# Altium PCB xialeste.PcbDoc (part 1 of 10) (continued)
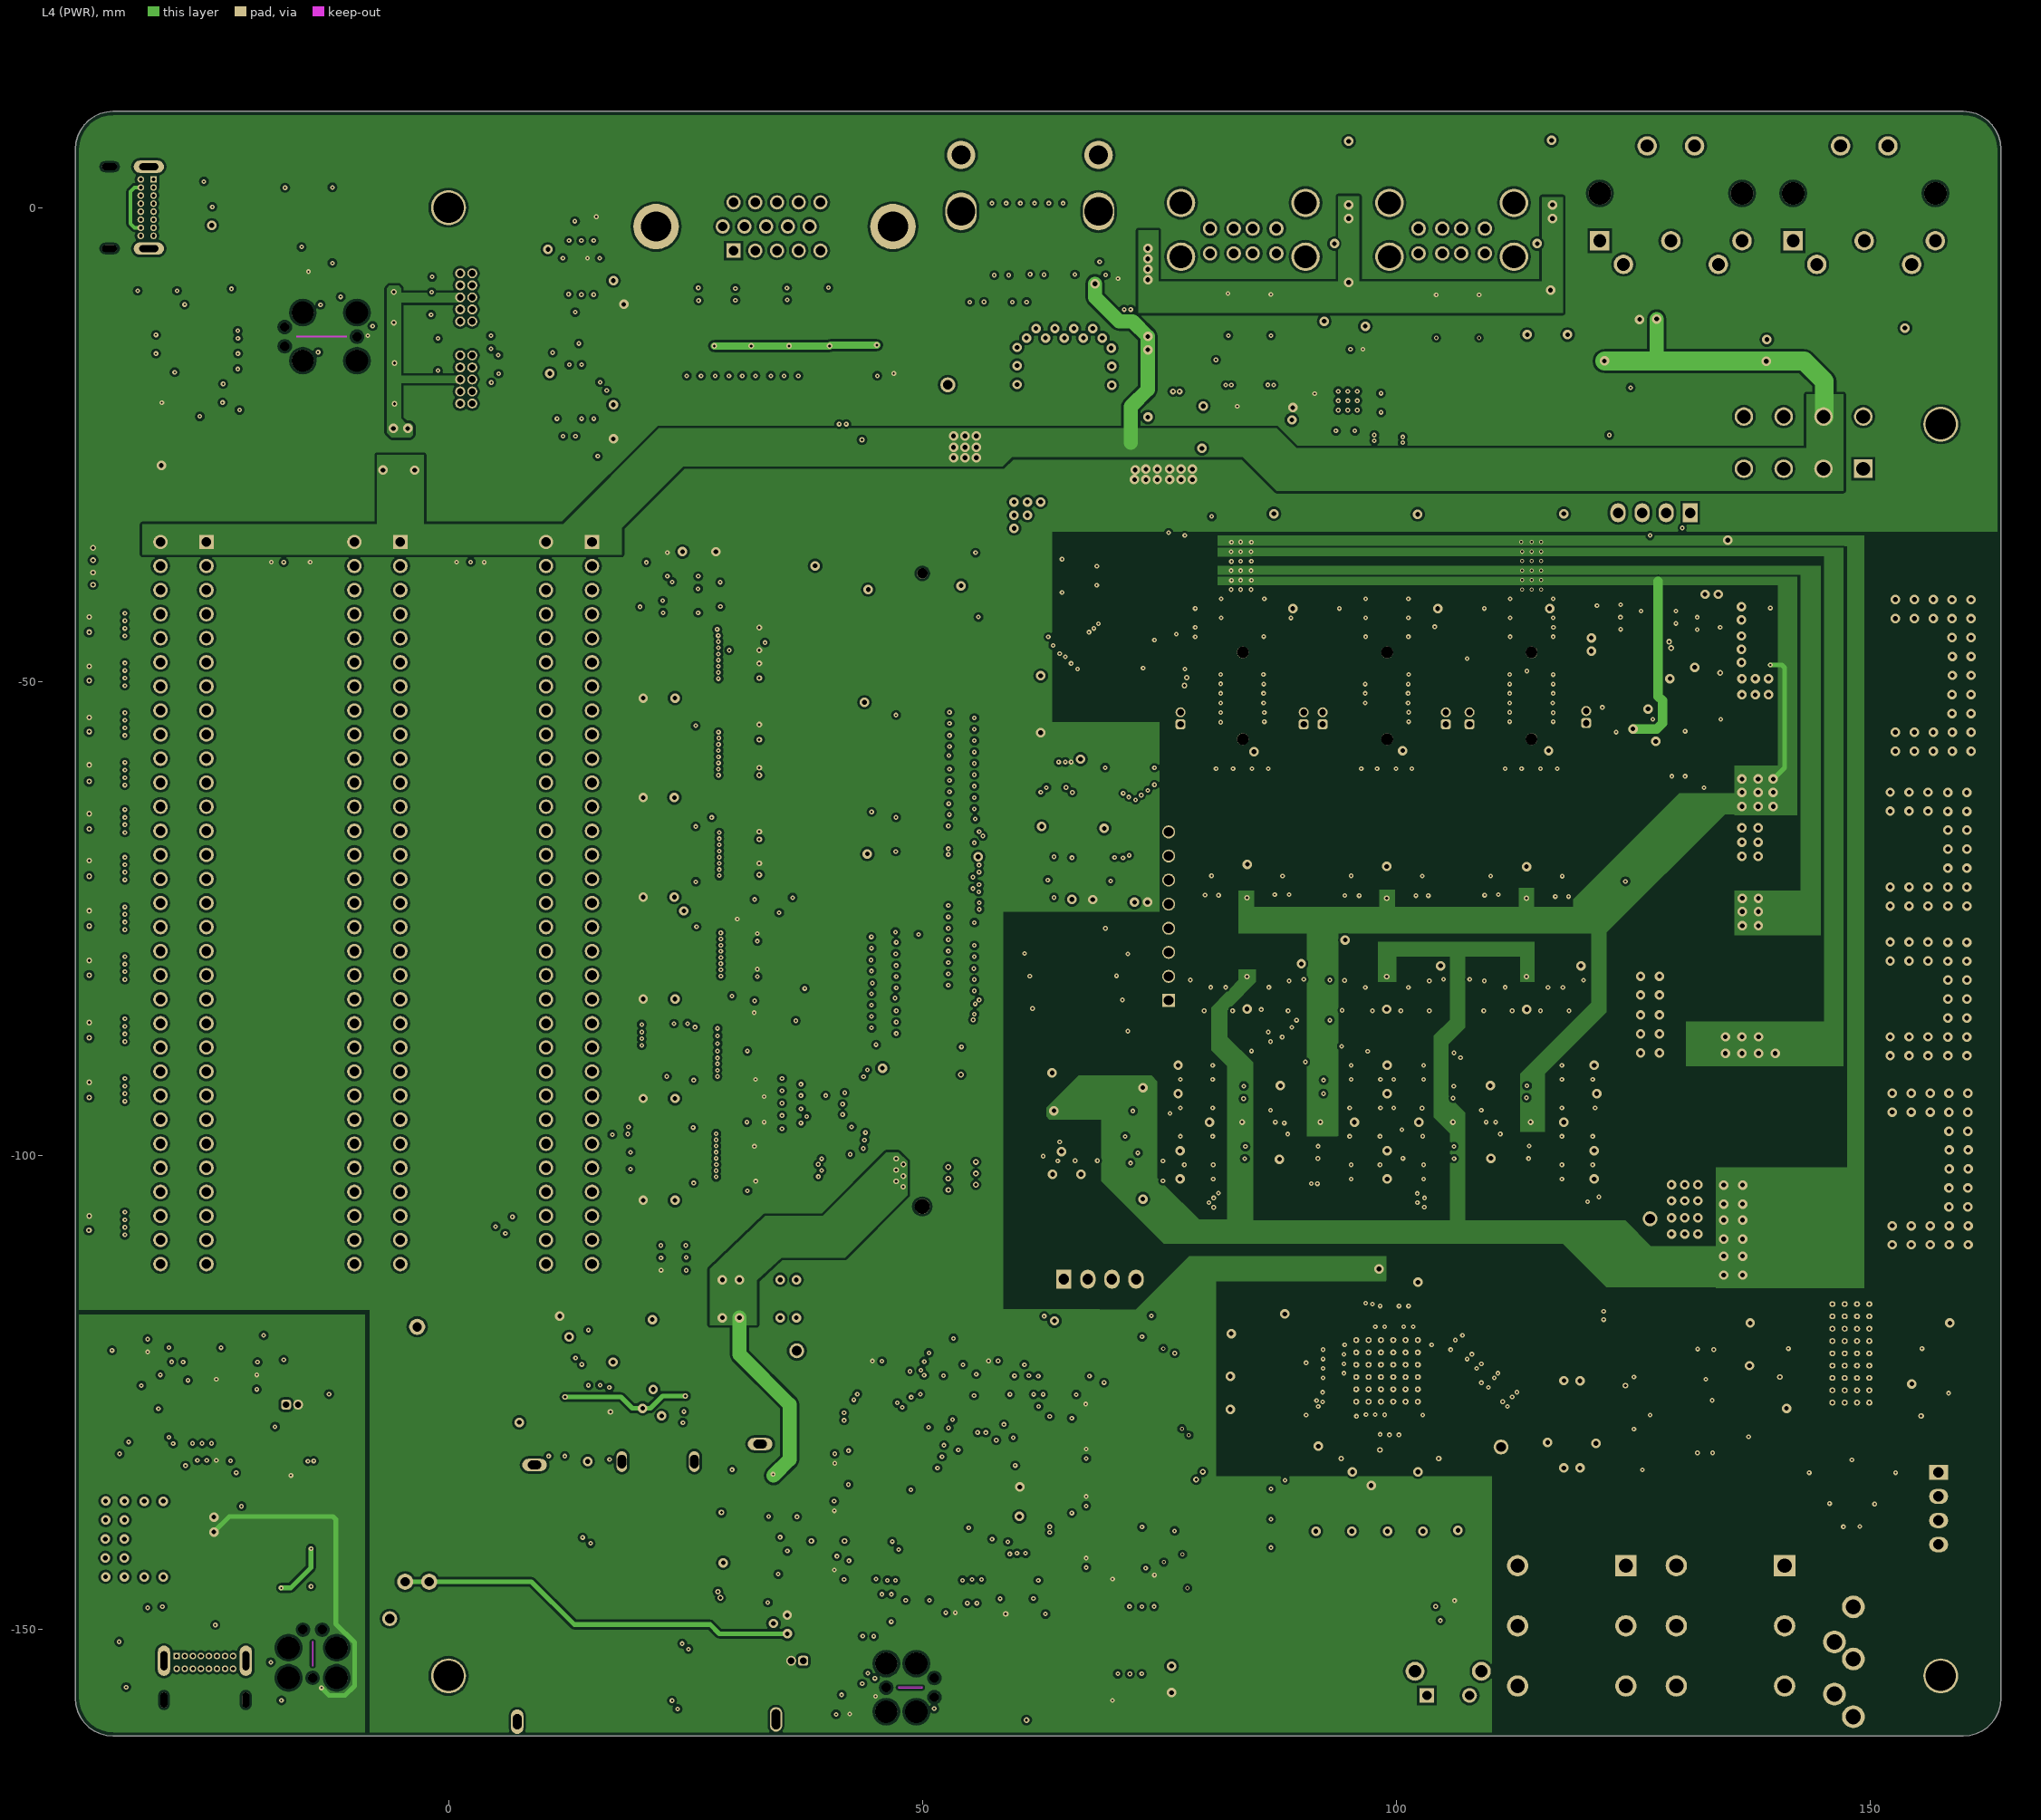
[diagram p4: L4 (PWR)]
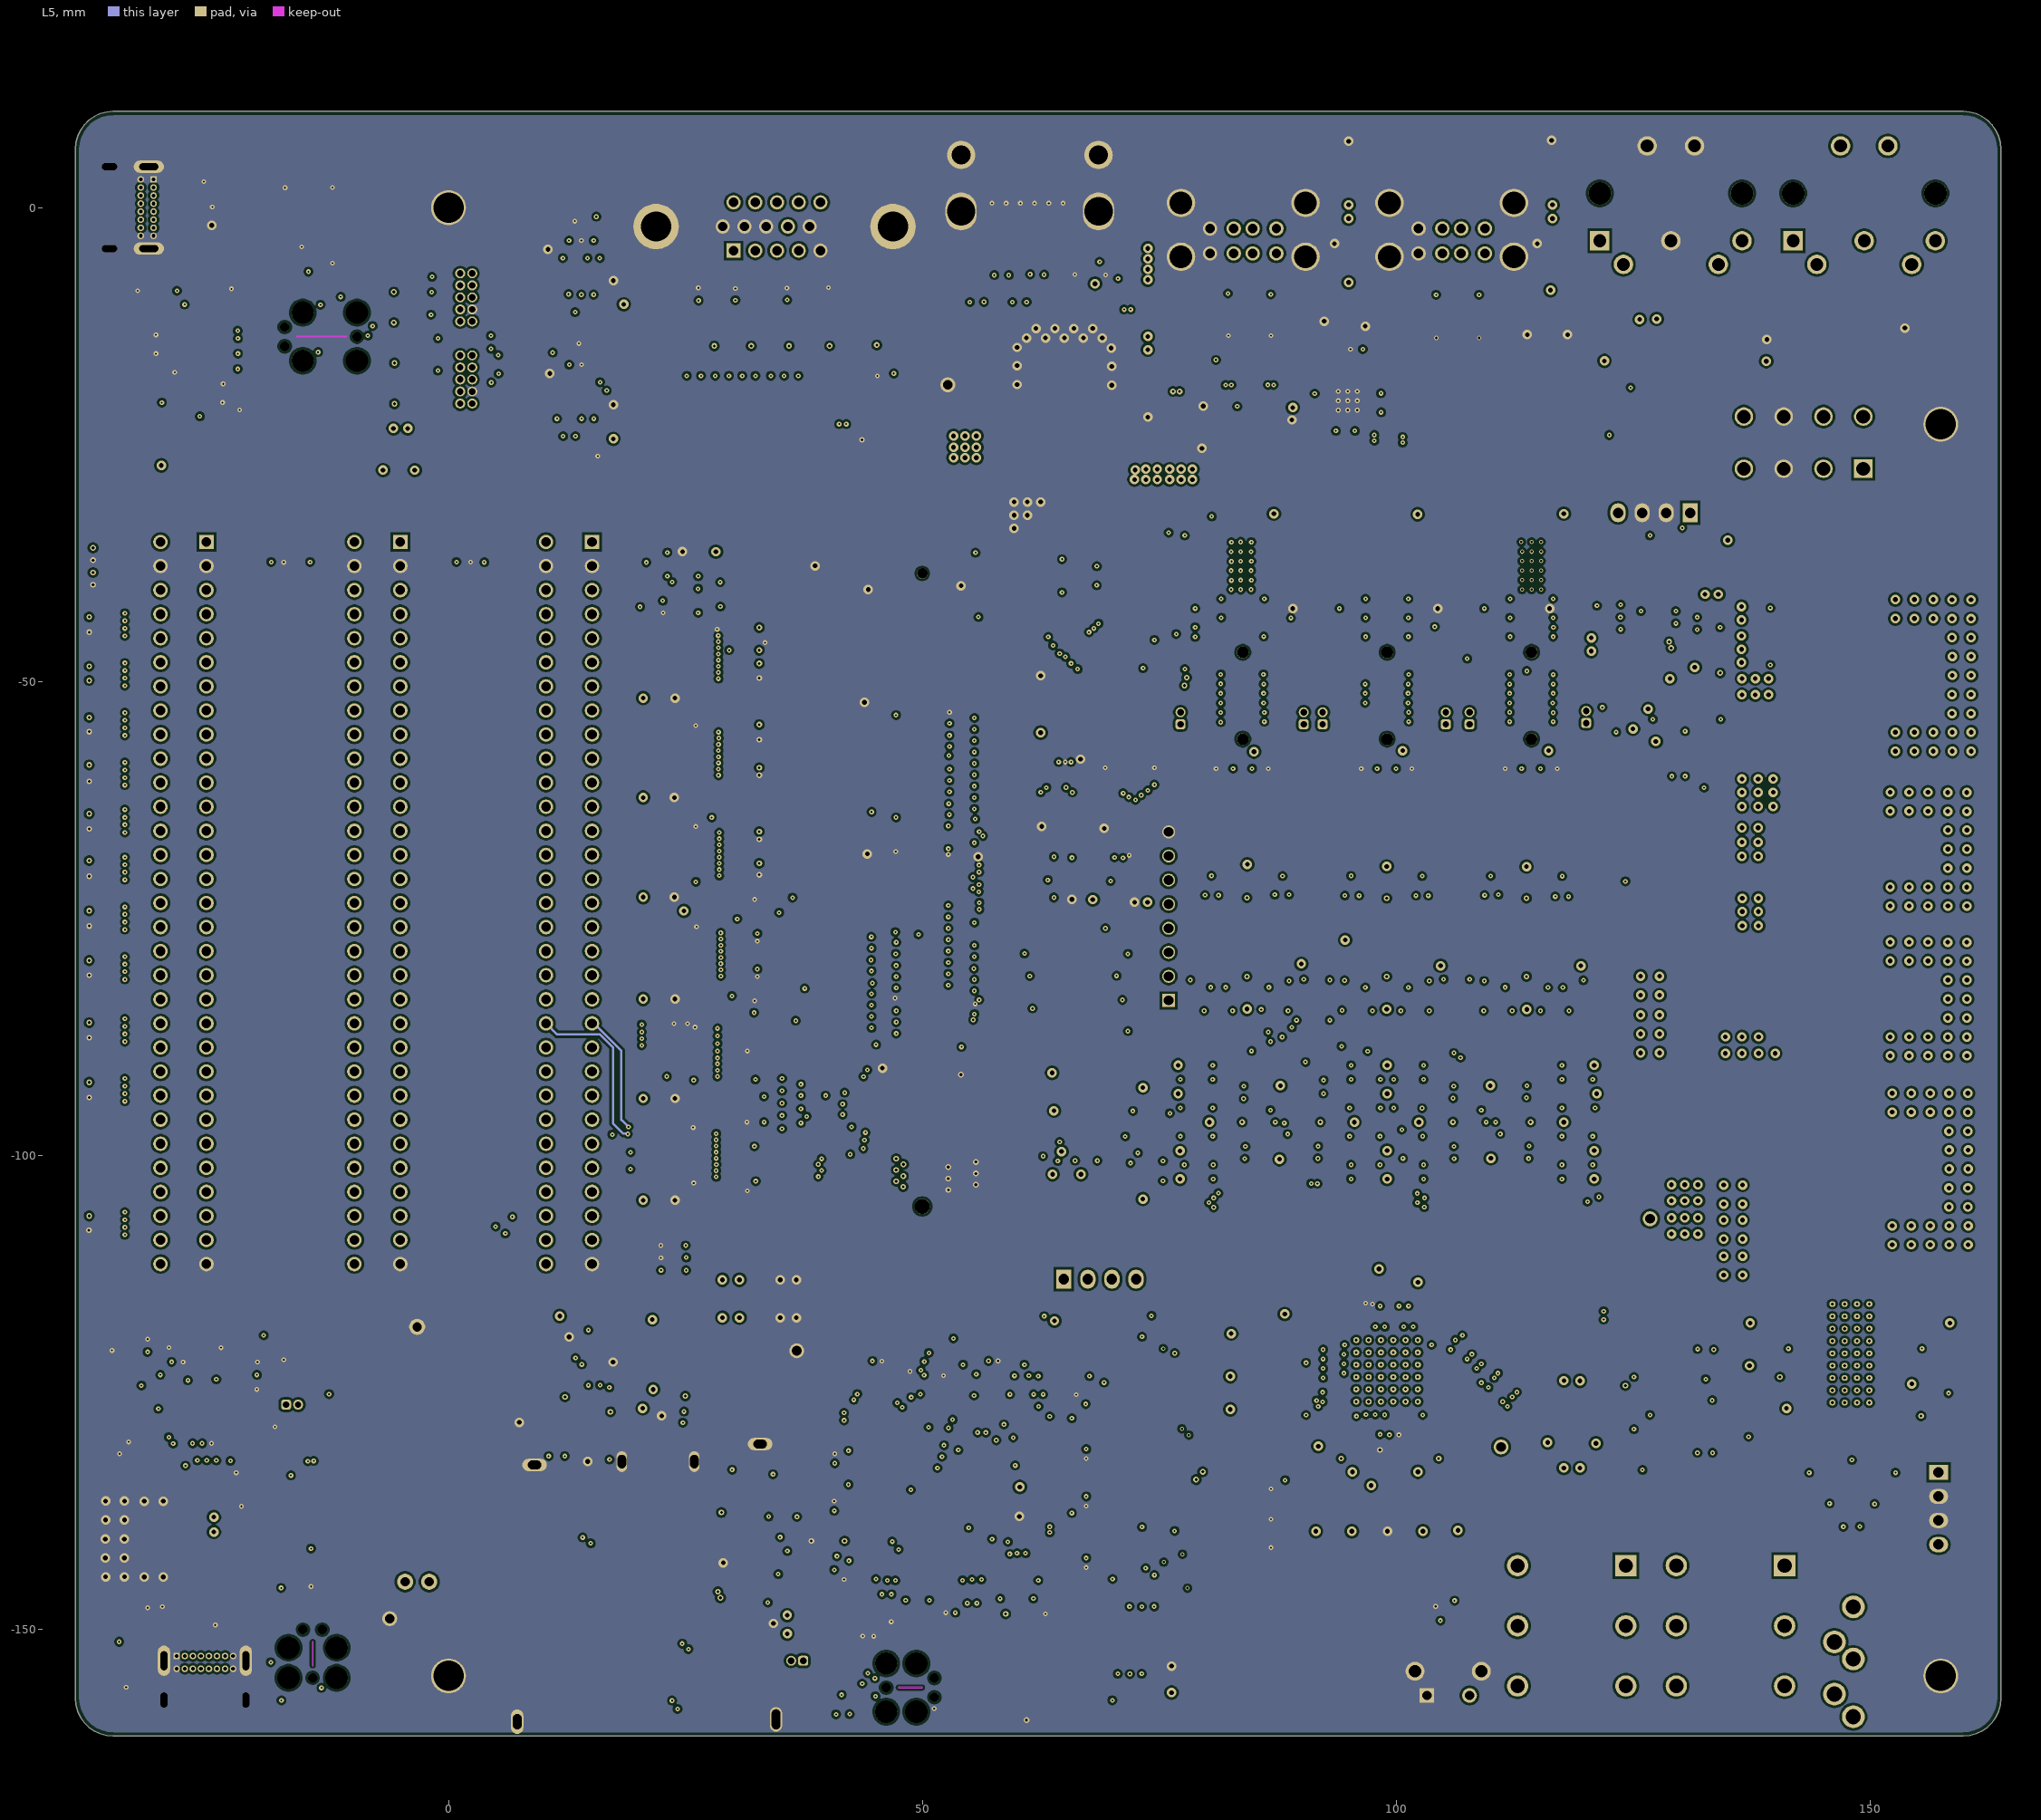
[diagram p5: L5]

## Layer stack, top to bottom
Top Solder: solder mask 0.0102, Solder Resist, Dk 3.5
L1: signal copper 0.018
Dielectric1: core 0.1725, DE 104 ML, Dk 4.4
L2: signal copper 0.018
Dielectric4: prepreg 0.196, DE 104 ML, Dk 4.4
L3: signal copper 0.018
Dielectric2: core 0.697, DE 104 ML, Dk 4.4
L4 (PWR): signal copper 0.018
Dielectric3: prepreg 0.196, DE 104 ML, Dk 4.4
L5: signal copper 0.018
Dielectric5: core 0.1725, DE 104 ML, Dk 4.4
L6: signal copper 0.018
Bottom Solder: solder mask 0.0102, Solder Resist, Dk 3.5

## Board outline
159.83,10.16 -35.37,10.16 -36.065,10.099 -36.738,9.919 -37.37,9.624 -37.941,9.224 -38.434,8.731 -38.834,8.16 -39.129,7.528 -39.309,6.855 -39.37,6.16 -39.37,-157.29 -39.309,-157.985 -39.129,-158.658 -38.834,-159.29 -38.434,-159.861 -37.941,-160.354 -37.37,-160.754 -36.738,-161.049 -36.065,-161.229 -35.37,-161.29 159.83,-161.29 160.525,-161.229 161.198,-161.049 161.83,-160.754 162.401,-160.354 162.894,-159.861 163.294,-159.29 163.589,-158.658 163.769,-157.985 163.83,-157.29 163.83,6.16 163.769,6.855 163.589,7.528 163.294,8.16 162.894,8.731 162.401,9.224 161.83,9.624 161.198,9.919 160.525,10.099

## Design rules (kind name [scope] priority, off if disabled: settings)
AcuteAngle [All] p1: minimum=3.50000000000000E+0001 checktracksonly=FALSE
AssemblyTestpoint [All] p1: testpointundercomponent=FALSE minsize=1.016 maxsize=2.54 preferedsize=1.524 minholesize=0 maxholesize=1.016 preferedholesize=0.813 testpointgrid=0.1 usegrid=TRUE gridoriginx=199.517 gridoriginy=370.078 gridtolerance=0 allowsidetop=TRUE
BoardOutlineClearance "BoardOutlineClearance 1" [All] p1 off: gap=0.25 ignorepadtopadclearanceinfootprint=FALSE except(0: Arc-SplitContinuation Track-SplitContinuation SMDPad-SplitContinuation THPad-SplitContinuation Via-SplitContinuation Fill-SplitContinuation Poly-SplitContinuation Region-SplitContinuation Text-SplitContinuation) // Milling
BoardOutlineClearance "BoardOutlineClearance 2" [All] p2: gap=0.4 ignorepadtopadclearanceinfootprint=FALSE except(0: Arc-SplitContinuation Track-SplitContinuation SMDPad-SplitContinuation THPad-SplitContinuation Via-SplitContinuation Fill-SplitContinuation Poly-SplitContinuation Region-SplitContinuation Text-SplitContinuation) // V-Cut
Clearance L2-GND [((Layer = 'L2') Or (Layer = 'L5')) AND (InNet('GND') OR InNet('AGND') )] p1: gap=0.254 ignorepadtopadclearanceinfootprint=FALSE except(0: Arc-Hole Track-Hole SMDPad-Hole THPad-Hole Via-Hole Fill-Hole Poly-Hole Region-Hole Text-Hole)
Clearance L4_POWER [(Layer = 'L4 (PWR)')] p2: gap=0.254 ignorepadtopadclearanceinfootprint=FALSE except(0: Arc-Hole Track-Hole SMDPad-Hole THPad-Hole Via-Hole Fill-Hole Poly-Hole Region-Hole Text-Hole)
Clearance "Clearance-2 1/2 Oz" [All] p3: gap=0.1 ignorepadtopadclearanceinfootprint=FALSE except(0.15: Arc-Fill Arc-Poly Track-Fill Track-Poly SMDPad-SMDPad SMDPad-Fill SMDPad-Poly THPad-Fill THPad-Poly Via-Fill Via-Poly Fill-Fill Fill-Poly Poly-Poly Poly-Region Poly-Text; 0.25: Arc-Hole Track-Hole SMDPad-Hole THPad-Hole Via-Hole Fill-Hole Poly-Hole Region-Hole Text-Hole) // Advance
ComponentClearance ComponentClearance_J9 [InComponent('J9')] p1: gap=0 collisioncheckmode=3 verticalgap=0 showdistances=FALSE
ComponentClearance [All] p2: gap=0.1 collisioncheckmode=3 verticalgap=0.2 showdistances=FALSE
DiffPairsRouting DiffPair_DIFF100DiffPairsRouting [InDifferentialPairClass('DIFF100')] p1: maxlimit=0.501 minlimit=0.3 mostfreqgap=0.4 toplayer_mingap=0.399 toplayer_maxgap=0.401 toplayer_minwidth=0.25 toplayer_maxwidth=0.25 toplayer_prefwidth=0.25 midlayer1_mingap=0.499 midlayer1_prefgap=0.5 midlayer1_minwidth=0.2 midlayer1_maxwidth=0.2 midlayer1_prefwidth=0.2 midlayer2_mingap=0.4 midlayer2_maxgap=0.4 midlayer2_minwidth=0.25 midlayer2_maxwidth=0.25 midlayer2_prefwidth=0.25 midlayer3_maxgap=0.3 midlayer3_prefgap=0.3 midlayer3_minwidth=0.25 midlayer3_maxwidth=0.25 midlayer3_prefwidth=0.25 midlayer4_maxgap=0.3 midlayer4_prefgap=0.3 midlayer4_minwidth=0.25 midlayer4_maxwidth=0.25 midlayer4_prefwidth=0.25 bottomlayer_mingap=0.399 bottomlayer_maxgap=0.401 bottomlayer_minwidth=0.25 bottomlayer_maxwidth=0.25 bottomlayer_prefwidth=0.25 maxuncoupledlength=18.7
DiffPairsRouting DiffPair_DIFF90DiffPairsRouting [InDifferentialPairClass('DIFF90')] p2: maxlimit=0.251 minlimit=0.17 mostfreqgap=0.2 toplayer_mingap=0.199 toplayer_maxgap=0.201 toplayer_minwidth=0.25 toplayer_maxwidth=0.25 toplayer_prefwidth=0.25 midlayer1_mingap=0.249 midlayer1_prefgap=0.25 midlayer1_minwidth=0.2 midlayer1_maxwidth=0.2 midlayer1_prefwidth=0.2 midlayer2_mingap=0.2 midlayer2_maxgap=0.2 midlayer2_minwidth=0.25 midlayer2_maxwidth=0.25 midlayer2_prefwidth=0.25 midlayer3_maxgap=0.17 midlayer3_prefgap=0.17 midlayer3_minwidth=0.25 midlayer3_maxwidth=0.25 midlayer3_prefwidth=0.25 midlayer4_maxgap=0.17 midlayer4_prefgap=0.17 midlayer4_minwidth=0.25 midlayer4_maxwidth=0.25 midlayer4_prefwidth=0.25 bottomlayer_mingap=0.199 bottomlayer_maxgap=0.201 bottomlayer_minwidth=0.25 bottomlayer_maxwidth=0.25 bottomlayer_prefwidth=0.25 maxuncoupledlength=8.1
DiffPairsRouting [All] p3 off: maxlimit=0.2 minlimit=0.2 mostfreqgap=0.2 toplayer_minwidth=0.381 toplayer_maxwidth=0.381 toplayer_prefwidth=0.381 midlayer1_minwidth=0.381 midlayer1_maxwidth=0.381 midlayer1_prefwidth=0.381 midlayer2_minwidth=0.381 midlayer2_maxwidth=0.381 midlayer2_prefwidth=0.381 midlayer3_minwidth=0.381 midlayer3_maxwidth=0.381 midlayer3_prefwidth=0.381 midlayer4_minwidth=0.381 midlayer4_maxwidth=0.381 midlayer4_prefwidth=0.381 bottomlayer_minwidth=0.381 bottomlayer_maxwidth=0.381 bottomlayer_prefwidth=0.381 maxuncoupledlength=12.7
HoleSize "Minimum HoleSize" [IsPad] p1 off: absolutevalues=TRUE maxlimit=5.9 minlimit=0.6 maxpercent=80.000 minpercent=20.000
HoleSize "Minimum HoleSize VIA 1" [IsVia] p2 off: absolutevalues=TRUE maxlimit=5.9 minlimit=0.3 maxpercent=80.000 minpercent=20.000 // Standart
HoleSize "Minimum HoleSize VIA 2" [IsVia] p3: absolutevalues=TRUE maxlimit=5.9 minlimit=0.2 maxpercent=80.000 minpercent=20.000 // Advance
HoleToHoleClearance Hole2HoleClearance [All] p1: gap=0.25 allowstackedmicrovias=FALSE
MatchedLengths DiffPair_DIFF100MatchedLengths [InDifferentialPairClass('DIFF100')] p1: tolerance=0.127 checknetsindiffpair=TRUE checkdiffpairvsdiffpair=FALSE checkxsignals=FALSE checkothers=FALSE
MatchedLengths DiffPair_DIFF90MatchedLengths [InDifferentialPairClass('DIFF90')] p2: tolerance=0.127 checknetsindiffpair=TRUE checkdiffpairvsdiffpair=FALSE checkxsignals=FALSE checkothers=FALSE
MatchedLengths QSPI [InNetClass('uQSPI')] p3: tolerance=0.254 checknetsindiffpair=FALSE checkdiffpairvsdiffpair=TRUE checkxsignals=TRUE checkothers=TRUE
MatchedLengths SPI1-2 [InNetClass('uSPI1') Or InNetClass('uSPI2')] p4: tolerance=0.254 checknetsindiffpair=FALSE checkdiffpairvsdiffpair=TRUE checkxsignals=TRUE checkothers=TRUE
MatchedLengths uFMC [InNetClass('uFMC')] p5: tolerance=5 checknetsindiffpair=FALSE checkdiffpairvsdiffpair=TRUE checkxsignals=TRUE checkothers=TRUE
MinimumAnnularRing "Minimum AR VIA Standart" [IsVia] p1 off: minimumring=0.15
MinimumAnnularRing "Minimum AR PAD Standart" [IsPAD] p2 off: minimumring=0.2
MinimumAnnularRing "Minimum AR VIA Advance" [IsVia] p3: minimumring=0.1
MinimumAnnularRing "Minimum AR PAD Advance" [IsPAD] p4: minimumring=0.15
MinimumSolderMaskSliver "SolderMask Bridge Standart" [All] p1 off: minsoldermaskwidth=0.15 // All Masks
MinimumSolderMaskSliver "SolderMask Bridge Advance" [All] p2: minsoldermaskwidth=0.1 // Mask LDI
NetAntennae [Not InComponent('U12')] p1: netantennaetolerance=0
PlaneClearance [All] p1: clearance=0.3
PlaneClearance PlaneClearance_POWER [InNetClass('POWER')] p2: clearance=0.5
PlaneClearance "PlaneClearance 3 Oz" [All] p3 off: clearance=0.35
PlaneClearance "PlaneClearance 2 Oz" [All] p4 off: clearance=0.3
PlaneClearance "PlaneClearance 1 Oz" [All] p5 off: clearance=0.2
PlaneClearance "PlaneClearance-1 1/2 Oz" [All] p6 off: clearance=0.2 // Standart
PlaneClearance "PlaneClearance-2 1/2 Oz" [All] p7 off: clearance=0.15 // Advance
PlaneConnect "GND to PAD" [(InNet('GND') and IsPad)] p1: planeconnectstyle=Relief reliefexpansion=0.3 reliefentries=4 reliefconductorwidth=0.5 reliefairgap=0.2
PlaneConnect [All] p2: planeconnectstyle=Direct reliefexpansion=0.2 reliefentries=4 reliefconductorwidth=0.3 reliefairgap=0.2
PlaneConnect "TermalConnect 3 Oz" [All] p3 off: planeconnectstyle=Relief reliefexpansion=0.2 reliefentries=4 reliefconductorwidth=0.35 reliefairgap=0.35 // Standart
PlaneConnect "TermalConnect 2 Oz" [All] p4 off: planeconnectstyle=Relief reliefexpansion=0.2 reliefentries=4 reliefconductorwidth=0.3 reliefairgap=0.3 // Standart
PlaneConnect "TermalConnect-1 1 Oz" [All] p5 off: planeconnectstyle=Relief reliefexpansion=0.2 reliefentries=4 reliefconductorwidth=0.2 reliefairgap=0.2 // Standart
PlaneConnect "TermalConnect-2 1 Oz" [All] p6 off: pad.planeconnectstyle=Relief pad.reliefexpansion=0.15 pad.reliefentries=4 pad.reliefconductorwidth=0.2 pad.reliefairgap=0.2 via.planeconnectstyle=Direct via.reliefexpansion=0.15 via.reliefentries=4 via.reliefconductorwidth=0.15 via.reliefairgap=0.15 // Advance
PlaneConnect "TermalConnect-1 1/2 Oz" [All] p7 off: planeconnectstyle=Relief reliefexpansion=0.2 reliefentries=4 reliefconductorwidth=0.2 reliefairgap=0.2 // Standart
PlaneConnect "TermalConnect-2 1/2 Oz" [All] p8: pad.planeconnectstyle=Relief pad.reliefexpansion=0.15 pad.reliefentries=4 pad.reliefconductorwidth=0.15 pad.reliefairgap=0.15 via.planeconnectstyle=Direct via.reliefexpansion=0.15 via.reliefentries=4 via.reliefconductorwidth=0.15 via.reliefairgap=0.15 // Advance
PolygonConnect [All] p1: connectstyle=Direct reliefconductorwidth=0.254 reliefentries=4 polygonreliefangle="90 Angle" airgapwidth=0.254
PolygonConnect "PolygonConnect 3 Oz" [All] p2 off: thpad.connectstyle=Relief thpad.reliefconductorwidth=0.35 thpad.reliefentries=4 thpad.polygonreliefangle="90 Angle" thpad.airgapwidth=0.35 smdpad.connectstyle=Relief smdpad.reliefconductorwidth=0.35 smdpad.reliefentries=4 smdpad.polygonreliefangle="90 Angle" smdpad.airgapwidth=0.35 via.connectstyle=Direct via.reliefconductorwidth=0.254 via.reliefentries=4 via.polygonreliefangle="90 Angle" via.airgapwidth=0.254
PolygonConnect "PolygonConnect 2 Oz" [All] p3 off: thpad.connectstyle=Relief thpad.reliefconductorwidth=0.3 thpad.reliefentries=4 thpad.polygonreliefangle="90 Angle" thpad.airgapwidth=0.3 smdpad.connectstyle=Relief smdpad.reliefconductorwidth=0.3 smdpad.reliefentries=4 smdpad.polygonreliefangle="90 Angle" smdpad.airgapwidth=0.3 via.connectstyle=Direct via.reliefconductorwidth=0.254 via.reliefentries=4 via.polygonreliefangle="90 Angle" via.airgapwidth=0.254
PolygonConnect "PolygonConnect-1 1 Oz" [All] p4 off: thpad.connectstyle=Relief thpad.reliefconductorwidth=0.2 thpad.reliefentries=4 thpad.polygonreliefangle="90 Angle" thpad.airgapwidth=0.2 smdpad.connectstyle=Relief smdpad.reliefconductorwidth=0.2 smdpad.reliefentries=4 smdpad.polygonreliefangle="90 Angle" smdpad.airgapwidth=0.2 via.connectstyle=Direct via.reliefconductorwidth=0.254 via.reliefentries=4 via.polygonreliefangle="90 Angle" via.airgapwidth=0.254 // Standart
PolygonConnect "PolygonConnect-2 1 Oz" [All] p5 off: thpad.connectstyle=Relief thpad.reliefconductorwidth=0.15 thpad.reliefentries=4 thpad.polygonreliefangle="90 Angle" thpad.airgapwidth=0.15 smdpad.connectstyle=Relief smdpad.reliefconductorwidth=0.15 smdpad.reliefentries=4 smdpad.polygonreliefangle="90 Angle" smdpad.airgapwidth=0.15 via.connectstyle=Direct via.reliefconductorwidth=0.254 via.reliefentries=4 via.polygonreliefangle="90 Angle" via.airgapwidth=0.254 // Advance
PolygonConnect "PolygonConnect-1 1/2 Oz" [All] p6 off: thpad.connectstyle=Relief thpad.reliefconductorwidth=0.15 thpad.reliefentries=4 thpad.polygonreliefangle="90 Angle" thpad.airgapwidth=0.2 smdpad.connectstyle=Relief smdpad.reliefconductorwidth=0.2 smdpad.reliefentries=4 smdpad.polygonreliefangle="90 Angle" smdpad.airgapwidth=0.2 via.connectstyle=Direct via.reliefconductorwidth=0.254 via.reliefentries=4 via.polygonreliefangle="90 Angle" via.airgapwidth=0.254 // Standart
PolygonConnect "PolygonConnect-2 1/2 Oz" [All] p7 off: thpad.connectstyle=Relief thpad.reliefconductorwidth=0.125 thpad.reliefentries=4 thpad.polygonreliefangle="90 Angle" thpad.airgapwidth=0.15 smdpad.connectstyle=Relief smdpad.reliefconductorwidth=0.125 smdpad.reliefentries=4 smdpad.polygonreliefangle="90 Angle" smdpad.airgapwidth=0.15 via.connectstyle=Direct via.reliefconductorwidth=0.254 via.reliefentries=4 via.polygonreliefangle="90 Angle" via.airgapwidth=0.254 // Advance
RoomDefinition A [InComponentClass('A')] p1: confinementstyle=ConfineIn formatcopy=TRUE lockcomponents=FALSE outline 77.25,-85.5 91.25,-85.5 91.25,-62.75 77.25,-62.75
RoomDefinition B [InComponentClass('B')] p2: confinementstyle=ConfineIn formatcopy=TRUE lockcomponents=FALSE outline 92,-85.5 106,-85.5 106,-62.75 92,-62.75
RoomDefinition C [InComponentClass('C')] p3: confinementstyle=ConfineIn formatcopy=TRUE lockcomponents=FALSE outline 106.75,-85.5 120.75,-85.5 120.75,-62.75 106.75,-62.75
RoomDefinition U_ADDA [InComponentClass('U_ADDA')] p4: confinementstyle=ConfineIn formatcopy=TRUE lockcomponents=FALSE outline 82.293,-138.828 111.793,-138.828 111.793,-106.828 82.293,-106.828
RoomDefinition U_AUDIO_CONNECTORS [InComponentClass('U_AUDIO_CONNECTORS')] p5: confinementstyle=ConfineIn formatcopy=TRUE lockcomponents=FALSE outline 110.233,-161 159.2,-161 159.2,-113.828 110.233,-113.828
RoomDefinition U_CVDAC [InComponentClass('U_CVDAC')] p6: confinementstyle=ConfineIn formatcopy=TRUE lockcomponents=FALSE outline 59.75,-109.25 78,-109.25 78,-88.072 59.75,-88.072
RoomDefinition U_EXPANSION_BUS [InComponentClass('U_EXPANSION_BUS')] p7: confinementstyle=ConfineIn formatcopy=TRUE lockcomponents=FALSE outline -37.767,-117.078 28.983,-117.078 28.983,-22.328 -37.767,-22.328
RoomDefinition U_EXPANSION_DRIVERS [InComponentClass('U_EXPANSION_DRIVERS')] p8: confinementstyle=ConfineIn formatcopy=TRUE lockcomponents=FALSE outline 20.233,-110.5 46.983,-110.5 46.983,-42.578 20.233,-42.578
RoomDefinition U_FPGA [InComponentClass('U_FPGA')] p9: confinementstyle=ConfineIn formatcopy=TRUE lockcomponents=FALSE outline 20.25,-114.25 20.25,-28.526 60,-28.526 60,-114.25
RoomDefinition U_HDMI [InComponentClass('U_HDMI')] p10: confinementstyle=ConfineIn formatcopy=TRUE lockcomponents=FALSE outline 48.483,-10.097 71.733,-10.097 71.733,10.16 48.483,10.16
RoomDefinition U_JOYSTICKS [InComponentClass('U_JOYSTICKS')] p11: confinementstyle=ConfineIn formatcopy=TRUE lockcomponents=FALSE outline -8.649,-25.786 18.817,-25.786 18.817,-4.968 -8.649,-4.968
RoomDefinition U_MCU [InComponentClass('U_MCU')] p12: confinementstyle=ConfineIn formatcopy=TRUE lockcomponents=FALSE outline -12.2,-161.25 76.9,-161.25 76.9,-116.9 -12.2,-116.9
RoomDefinition U_USB_HUB [InComponentClass('U_USB_HUB')] p13: confinementstyle=ConfineIn formatcopy=TRUE lockcomponents=FALSE outline 73.054,-26.701 116.983,-26.701 116.983,10.2 73.054,10.2
RoomDefinition U_VGA [InComponentClass('U_VGA')] p14: confinementstyle=ConfineIn formatcopy=TRUE lockcomponents=FALSE outline 18.233,-18.601 50.483,-18.601 50.483,10.1 18.233,10.1
RoomDefinition U_VOICES [InComponentClass('U_VOICES')] p15: confinementstyle=ConfineIn formatcopy=TRUE lockcomponents=FALSE outline 69.483,-61.7 135.7,-61.7 135.7,-28.828 69.483,-28.828
RoomDefinition U_WIFI [InComponentClass('U_WIFI')] p16: confinementstyle=ConfineIn formatcopy=TRUE lockcomponents=FALSE outline -39.767,-44.828 -11.017,-44.828 -11.017,8.922 -39.767,8.922
RoomDefinition X [InComponentClass('X')] p17: confinementstyle=ConfineIn formatcopy=TRUE lockcomponents=FALSE outline 76.858,-103.697 99.058,-103.697 99.058,-89.297 76.858,-89.297
RoomDefinition Y [InComponentClass('Y')] p18: confinementstyle=ConfineIn formatcopy=TRUE lockcomponents=FALSE outline 99.06,-103.75 121.26,-103.75 121.26,-89.35 99.06,-89.35
RoomDefinition U_MIDI [InComponentClass('U_MIDI')] p19: confinementstyle=ConfineIn formatcopy=TRUE lockcomponents=FALSE outline 117.483,-21.578 160.733,-21.578 160.733,9.922 117.483,9.922
RoomDefinition U_MIX [InComponentClass('U_MIX')] p20: confinementstyle=ConfineIn formatcopy=TRUE lockcomponents=FALSE outline 75.733,-73.078 135.733,-73.078 135.733,-29.578 75.733,-29.578
RoomDefinition U_STLINK [InComponentClass('U_STLINK')] p21: confinementstyle=ConfineIn formatcopy=TRUE lockcomponents=FALSE outline -37.567,-161.628 0,-161.628 0,-116.628 -37.567,-116.628
RoomDefinition C_LDO_3.3V [InComponentClass('C_LDO_3.3V')] p22: confinementstyle=ConfineIn formatcopy=TRUE lockcomponents=FALSE outline 59.483,-28.078 69.233,-28.078 69.233,-12.828 59.483,-12.828
RoomDefinition C_LDO_2.5V [InComponentClass('C_LDO_2.5V')] p23: confinementstyle=ConfineIn formatcopy=TRUE lockcomponents=FALSE outline -35.017,-144.578 69.233,-144.578 69.233,-12.828 -35.017,-12.828
RoomDefinition C_UHUB [InComponentClass('C_UHUB')] p24: confinementstyle=ConfineIn formatcopy=TRUE lockcomponents=FALSE outline 91.621,-22.404 91.621,-15.396 98.179,-15.396 98.179,-22.404